# Altium PCB HW_Dron_V2.PcbDoc (part 2 of 2)
Units mil, origin at the board's own origin, x right, y up, seen from the top; angles counter-clockwise.
Board outline 3775.2 x 3550 mil, 2 copper layers (Top Layer, Bottom Layer); 111 components, 150 nets, 616 pads, 477 vias.
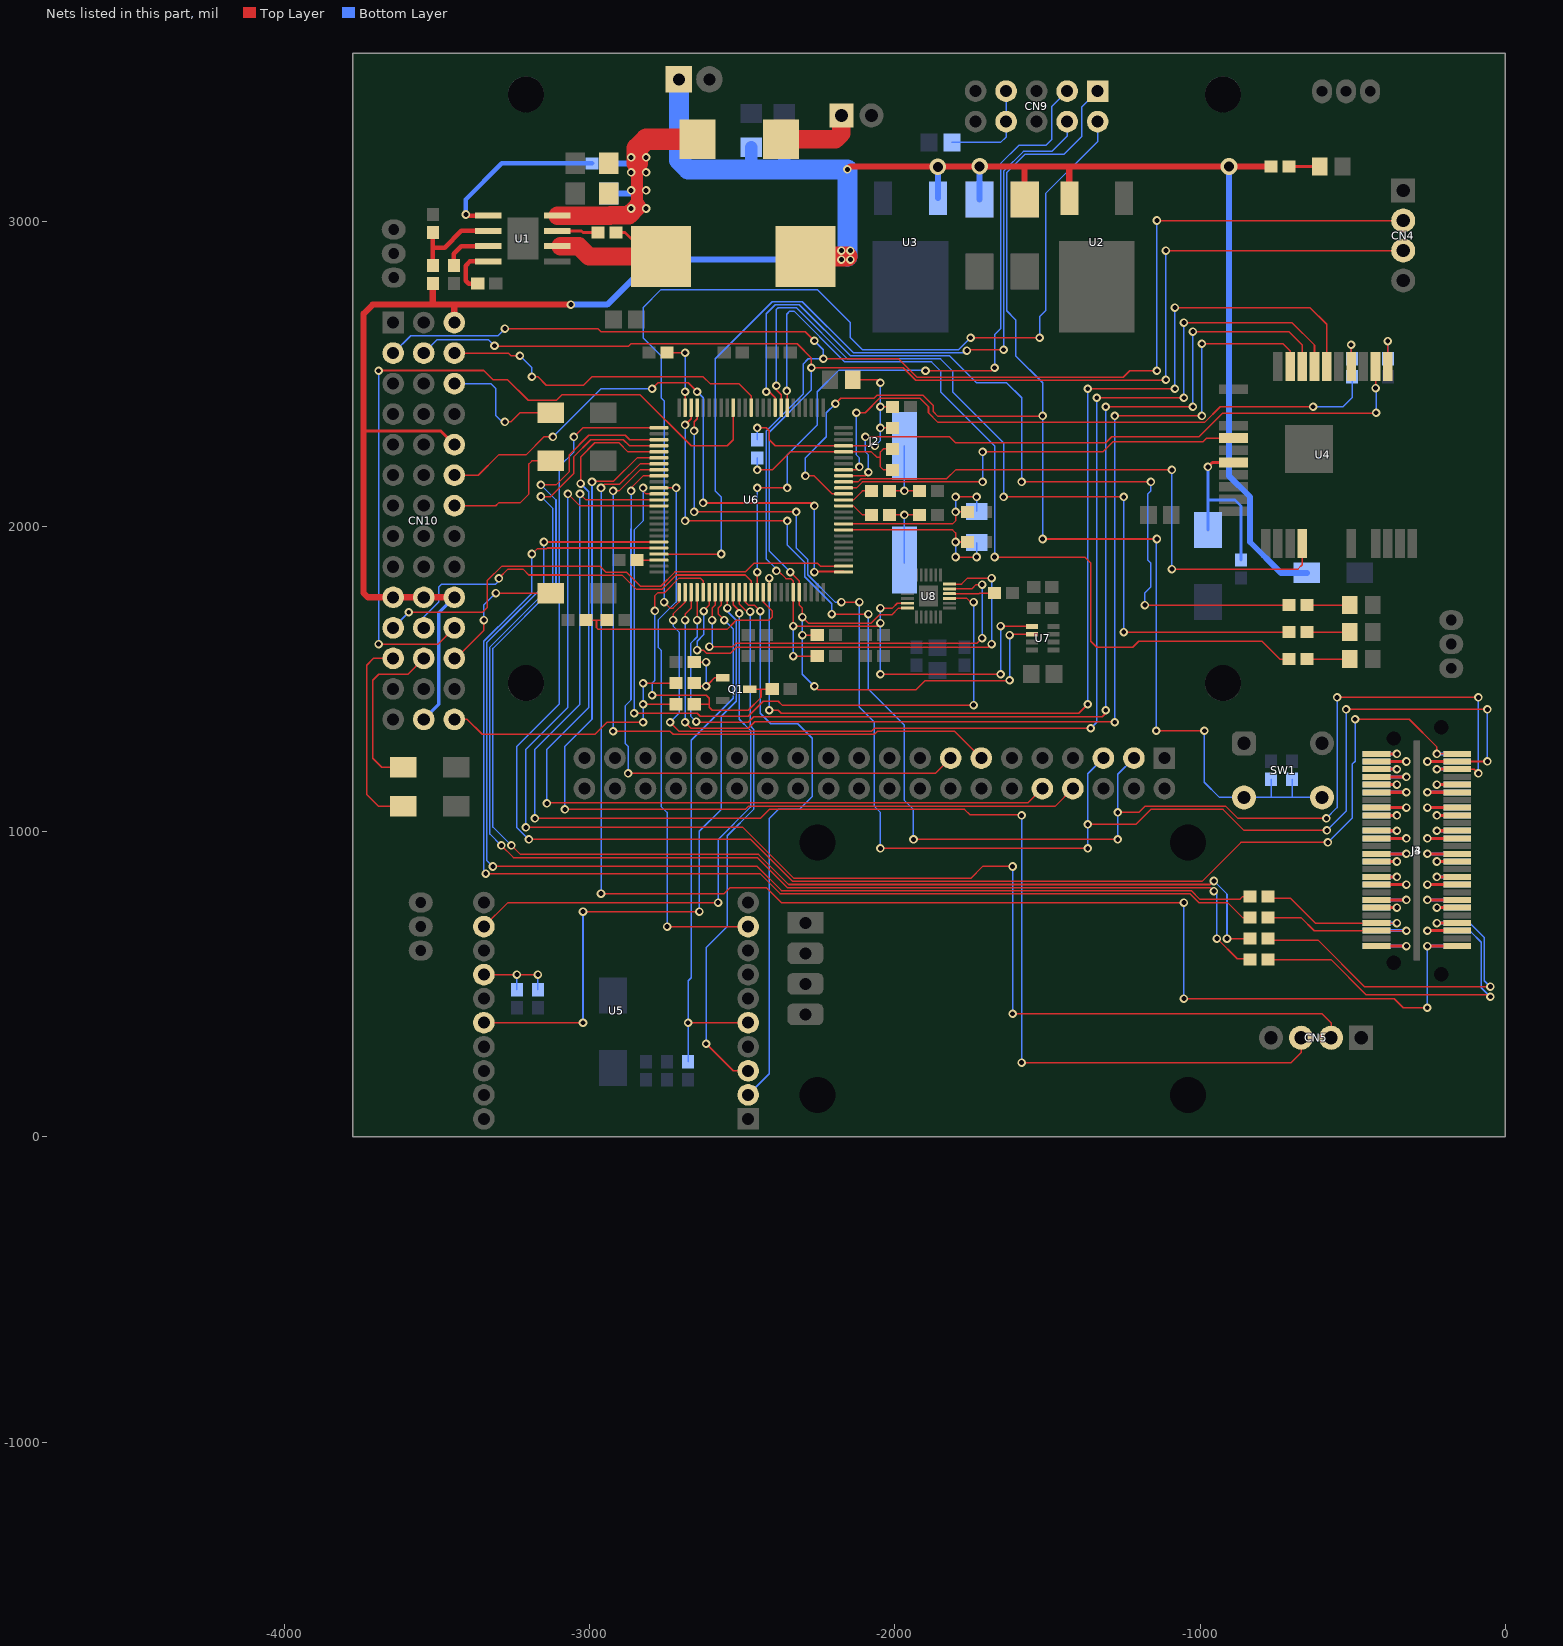
[diagram p2: the nets of this part, all layers, seen from the top]

## Via types
v1: diameter 28, hole 16, Top Layer to Bottom Layer, tented both sides, 470 vias
v2: diameter 250, hole 125, Top Layer to Bottom Layer, 4 vias
v3: diameter 54, hole 32, Top Layer to Bottom Layer, tented both sides, 2 vias
v4: diameter 56, hole 32, Top Layer to Bottom Layer, tented both sides, 1 vias

## Nets (pads, with @x,y where several pads share a name; then routed paths per layer and width w, separated by ;. In a path a pad name is that pad's centre, name@x,y a point inside that pad or via, vN(x,y) a via of type N, cw(c..) or ccw(c..) an arc to the next point about the centre after c; other vN are vias at no path point) (continued)
I2C1_SCL: CN4.2 CN10.4 R16.2 U6.95 U7.4 U8.23 | length 6390.6
  Top Layer w5: v1(-3277.56,2647.64) -2972.44,2647.64 -2962.6,2637.8 -2293.31,2637.8 v1(-2263.78,2608.27) ; v1(-2388.08,1854.04) -2381.91,1854.04 -2356.76,1828.89 -2340.7,1828.89 -2332.68,1820.87 U6.95@-2332.68,1784.25 v1(-2332.68,1673.23) -2332.52,1673.07 -2057.24,1673.07 v1(-2047.24,1683.07) ; v1(-2332.68,1574.8) R16.2@-2253.94,1574.8 ; v1(-2234.25,2549.21) -1988.19,2549.21 -1978.35,2539.37 -1938.98,2500 -1927.32,2488.34 -1251.82,2488.34 -1230.32,2509.84 v1(-1141.73,2509.84) ; v1(-2047.24,1515.75) v1(-1653.54,1515.75) ; v1(-2047.24,1732.28) -2007.88,1732.28 -1992.13,1748.03 U8.23@-1958.66,1748.03 ; v1(-1653.54,1673.23) -1652.56,1672.24 U7.4@-1551.18,1672.24 ; v1(-1141.73,3001.97) CN4.2@-334.65,3001.97
  Bottom Layer w5: CN10.4@-3643.31,2567.72 -3586.24,2624.78 -3300.41,2624.78 v1(-3277.56,2647.64) ; v1(-2388.08,1854.04) -2388.08,1860.22 -2421.42,1893.55 -2421.42,2312.83 -2300.38,2433.87 -2300.38,2532.3 -2283.46,2549.21 v1(-2234.25,2549.21) -2234.25,2578.74 v1(-2263.78,2608.27) ; v1(-2332.68,1574.8) v1(-2332.68,1673.23) ; v1(-2047.24,1515.75) v1(-2047.24,1683.07) ; v1(-2047.24,1683.07) v1(-2047.24,1732.28) ; v1(-1653.54,1515.75) v1(-1653.54,1673.23) ; v1(-1141.73,2509.84) v1(-1141.73,3001.97)
I2C1_SDA: CN4.3 CN10.5 R15.2 U6.96 U7.3 U8.24 | length 6192.2
  Top Layer w5: v1@-3310.27,2590.4 -2872.2,2590.4 -2864.17,2598.43 -2320.1,2598.43 -2273.62,2551.95 v1(-2273.62,2519.69) -1972.8,2519.69 -1931.46,2478.34 -1114.18,2478.34 v1(-1112.2,2480.32) ; v1(-2342.52,1850.39) -2312.99,1820.87 U6.96@-2312.99,1784.25 -2312.99,1742.13 -2303.15,1732.28 v1(-2303.15,1702.76) -2283.46,1683.07 -2077.65,1683.07 -2049.94,1710.78 -2009.69,1710.78 -1988.19,1732.28 U8.24@-1958.66,1732.28 ; v1(-2303.15,1643.7) R15.2@-2253.94,1643.7 ; v1(-2263.78,1476.38) -2252.12,1464.72 -1930.95,1464.72 -1901.42,1494.25 -1625.83,1494.25 v1(-1624.02,1496.06) ; v1(-1624.01,1643.7) -1621.06,1646.65 U7.3@-1551.18,1646.65 ; v1(-1112.2,2903.54) CN4.3@-334.65,2903.54
  Bottom Layer w5: CN10.5@-3543.31,2567.72 -3500.37,2610.65 -3330.52,2610.65 v1(-3311.48,2591.61) ; v1(-2342.52,1850.39) -2411.42,1919.29 -2411.42,2308.69 -2273.62,2446.49 v1(-2273.62,2519.69) ; v1(-2303.15,1702.76) v1(-2303.15,1643.7) -2303.15,1515.75 v1(-2263.78,1476.38) ; v1(-1624.02,1496.06) v1(-1624.01,1643.7) ; v1(-1112.2,2480.32) v1(-1112.2,2903.54)
I2C2_SCL: J2.5 J3.49 J4.49 U6.47 | length 5121.9
  Top Layer w5: v1(-2657.48,2047.24) v1(-2322.83,2047.24) ; v1(-2657.48,2312.99) -2657.48,2342.52 -2647.64,2352.36 U6.47@-2647.64,2388.98 ; v1(-2175.2,1751.97) v1(-2116.14,1751.97) ; v1(-2047.24,944.88) v1(-1368.11,944.88) ; v1(-1368.11,1023.62) -1210.63,1023.62 -1161.57,1072.68 -925.04,1072.68 -856.3,1003.94 v1(-584.85,1003.94) ; v1(-521.65,1400.38) v1(-59.06,1400.38) ; J3.49@-157.28,1229.72 -59.65,1229.72 v1(-59.06,1230.32)
  Top Layer w10: v1(-255.31,1229.72) J3.49@-157.28,1229.72
  Bottom Layer w5: v1(-2657.48,2047.24) v1(-2657.48,2312.99) ; v1(-2322.83,2047.24) -2322.83,1929.13 -2285.28,1891.58 -2285.28,1841.49 -2195.76,1751.97 v1(-2175.2,1751.97) ; v1(-2116.14,1751.97) -2116.14,1407.48 -2066.93,1358.27 -2066.93,1082.68 -2047.24,1062.99 v1(-2047.24,944.88) ; v1(-1368.11,944.88) v1(-1368.11,1023.62) -1368.11,1189.76 J2.5@-1316.93,1240.94 ; v1(-584.85,1003.94) -521.65,1067.14 v1(-521.65,1400.38) ; v1(-59.06,1230.32) v1(-59.06,1400.38)
  Bottom Layer w10: v1(-255.31,1229.72) J4.49@-157.28,1229.72
I2C2_SDA: J2.3 J3.47 J4.47 U6.48 | length 4994.9
  Top Layer w5: v1(-2687.01,2017.72) v1(-2352.36,2017.72) ; v1(-2687.01,2332.68) -2667.32,2352.36 U6.48@-2667.32,2388.98 ; v1(-2206.69,1712.6) v1@-2086.62,1712.6 ; v1(-1938.98,974.41) v1(-1269.69,974.41) ; v1(-1269.69,1062.99) -1200.79,1062.99 -1181.1,1082.68 -915.35,1082.68 -875.98,1043.31 v1(-586.5,1043.31) ; v1(-551.18,1439.75) v1(-88.58,1439.75) ; J3.47@-157.28,1204.53 -102.17,1204.53 v1(-88.58,1190.94)
  Top Layer w10: v1(-224.21,1204.53) J3.47@-157.28,1204.53
  Bottom Layer w5: v1(-2687.01,2017.72) v1(-2687.01,2332.68) ; v1(-2352.36,2017.72) -2352.36,1938.98 -2295.28,1881.89 -2295.28,1835.3 -2206.69,1746.71 v1(-2206.69,1712.6) ; v1(-2086.61,1712.6) -2086.61,1466.54 -1968.5,1348.43 -1968.5,1102.36 -1938.98,1072.83 v1(-1938.98,974.41) ; v1(-1269.69,974.41) v1(-1269.69,1062.99) -1269.69,1188.19 J2.3@-1216.93,1240.94 ; v1(-586.5,1043.31) -551.18,1078.63 v1(-551.18,1439.75) ; v1(-88.58,1190.94) v1(-88.58,1439.75)
  Bottom Layer w10: v1(-224.21,1204.53) J4.47@-157.28,1204.53
I2C2_SMBA: J3.51 J4.51 U6.51 | length 5333.3
  Top Layer w5: v1(-3198.82,974.41) -2472.29,974.41 -2334.65,836.77 -993.94,836.77 -866.14,964.57 v1(-581.57,964.57) ; v1(-3051.18,2293.31) -3021.65,2322.83 U6.51@-2772.84,2322.83 ; v1(-492.13,1368.11) -314.96,1368.11 -224.21,1277.36 v1(-224.21,1254.92) J3.51@-157.28,1254.92
  Bottom Layer w5: v1(-3198.82,974.41) -3199.7,974.41 -3238.19,1012.9 -3238.19,1279.53 -3099.37,1418.34 -3099.37,2195.9 -3051.18,2244.09 v1(-3051.18,2293.31) ; v1(-581.57,964.57) -501.97,1044.17 -501.97,1220.47 -492.13,1230.31 v1(-492.13,1368.11)
  Bottom Layer w10: v1(-224.21,1254.92) J4.51@-157.28,1254.92
IMU_AD0: U6.62 U8.9 | length 2379.2
  Top Layer w5: v1(-2854.33,1387.8) -2647.64,1387.8 -2637.8,1377.95 -2480.31,1377.95 -2431.1,1427.17 -2381.89,1427.17 -2369.3,1414.58 v1(-1742.13,1414.58) ; v1(-2824.8,2125.98) -2824.8,2116.14 -2814.96,2106.3 U6.62@-2772.84,2106.3 ; U8.9@-1820.87,1763.78 -1763.78,1763.78 -1751.97,1751.97 v1(-1742.13,1751.97)
  Bottom Layer w5: v1(-2854.33,1387.8) -2854.33,1988.19 -2824.8,2017.72 v1(-2824.8,2125.98) ; v1(-1742.13,1414.58) v1(-1742.13,1751.97)
IMU_FSYNC: U6.82 U8.11 | length 1378.5
  Top Layer w5: v1(-2607.83,1606.15) -2531.13,1606.15 -2520.76,1616.52 -1731.76,1616.52 v1(-1714.41,1633.86) ; v1(-2598.43,1692.91) -2598.43,1732.28 -2588.58,1742.13 U6.82@-2588.58,1784.25 ; U8.11@-1820.87,1795.28 -1748.03,1795.28 -1734.1,1809.21 v1(-1714.41,1809.21)
  Bottom Layer w5: v1(-2607.83,1606.15) -2598.43,1615.55 v1(-2598.43,1692.91) ; v1(-1714.41,1633.86) v1(-1714.41,1809.21)
IMU_INT: U6.81 U8.12 | length 1549.4
  Top Layer w5: v1(-2647.64,1594.49) -2626.58,1594.49 -2616.73,1584.65 -2538.49,1584.65 -2518.81,1604.33 -1692.91,1604.33 v1(-1683.07,1614.17) ; v1(-2626.14,1722.44) -2626.14,1724.26 -2608.27,1742.13 U6.81@-2608.27,1784.25 ; U8.12@-1820.87,1811.02 -1781.5,1811.02 -1761.81,1830.71 v1(-1683.07,1830.71)
  Bottom Layer w5: v1(-2647.64,1594.49) -2647.64,1624.02 -2626.14,1645.52 v1(-2626.14,1722.44) ; v1(-1683.07,1614.17) v1(-1683.07,1830.71)
LD0: R31.2 U6.32 | length 2848.3
  Top Layer w5: v1(-2354.18,2443.64) -2352.36,2441.82 U6.32@-2352.36,2388.98 ; v1(-1673.23,1899.61) -1377.95,1899.61 -1358.27,1879.92 -1358.27,1624.02 -1338.58,1604.33 -1220.47,1604.33 -1200.79,1624.02 -797.24,1624.02 -738.19,1564.96 R31.2@-708.66,1564.96
  Bottom Layer w5: v1(-2354.18,2443.64) -2354.18,2695.04 -2344.05,2705.16 -2330.27,2705.16 -2163.85,2538.74 -1879.92,2538.74 -1850.39,2509.21 -1850.39,2440.94 -1673.23,2263.78 v1(-1673.23,1899.61)
LD1: R30.2 U6.33 | length 2853.5
  Top Layer w5: v1(-2388.26,2460.63) -2388.26,2447.32 -2372.05,2431.1 U6.33@-2372.05,2388.98 ; v1(-1643.7,2096.46) v1(-1250,2096.46) ; v1(-1250,1653.54) R30.2@-708.66,1653.54
  Bottom Layer w5: v1(-2388.26,2460.63) -2388.26,2710.17 -2382.2,2716.22 -2322.52,2716.22 -2155.04,2548.74 -1850.39,2548.74 -1811.02,2509.37 -1811.02,2440.94 -1643.7,2273.62 v1(-1643.7,2096.46) ; v1(-1250,1653.54) v1(-1250,2096.46)
LD2: R32.2 U6.34 | length 2892.1
  Top Layer w5: v1(-2421.26,2440.94) -2411.42,2440.94 -2391.73,2421.26 U6.34@-2391.73,2388.98 ; v1(-1584.65,2145.67) v1(-1161.42,2145.67) ; v1(-1181.1,1742.13) R32.2@-708.66,1742.13
  Bottom Layer w5: v1(-2421.26,2440.94) -2421.26,2696.85 -2391.89,2726.22 -2312.83,2726.22 -2145.35,2558.74 -1820.87,2558.74 -1732.6,2470.47 -1633.86,2470.47 -1584.65,2421.26 v1(-1584.65,2145.67) ; v1(-1181.1,1742.13) -1181.1,1781.5 -1161.42,1801.18 -1161.42,1880.08 -1171.26,1889.92 -1171.26,2106.3 -1161.42,2116.14 v1(-1161.42,2145.67)
NetC1_1: C1.1 C2.1 C3.1 D10.2 R1.2 U1.8 | length 825.9
  Top Layer w40: -2844.49,3046.61 -2844.49,3188.98
  Top Layer w60: U1.8@-3105.31,3017.91 -2933.07,3017.91 -2931.73,3019.25 -2871.85,3019.25 -2844.49,3046.61
  Top Layer w70: -2844.49,3188.98 -2844.49,3238.19 -2814.96,3267.72 D10.2@-2646.65,3267.72
  Bottom Layer w20: R1.2@-2933.07,3188.98 -2844.49,3188.98 ; C1.1@-2907.48,3090.55 -2844.49,3090.55
  other v1: -2864.17,3041.34 -2814.96,3041.34 -2864.17,3100.39 -2814.96,3100.39 -2864.17,3159.45 -2814.96,3159.45 -2864.17,3208.66 -2814.96,3208.66
NetC4_1: C4.1 U1.7 | length 125.2
  Top Layer w10: U1.7@-3095.47,2967.91 -3026.97,2967.91 -3021.65,2962.6 C4.1@-2972.44,2962.6
NetC4_2: C4.2 L1.1 U1.6 | length 465
  Top Layer w10: C4.2@-2913.39,2962.6 -2883.86,2962.6 L1.1@-2805.12,2883.86
  Top Layer w60: U1.6@-3095.47,2917.91 -3036.02,2917.91 -3001.97,2883.86 L1.1@-2785.43,2883.86
NetC6_1: C6.1 U1.3 | length 162.6
  Top Layer w15: C6.1@-3444.88,2854.33 -3444.88,2893.7 -3420.67,2917.91 U1.3@-3331.69,2917.91
NetC7_1: C7.1 U1.4 | length 172.1
  Top Layer w15: C7.1@-3366.14,2795.28 -3395.67,2795.28 -3405.51,2805.12 -3405.51,2854.33 -3391.93,2867.91 U1.4@-3331.69,2867.91
NetC16_1: C16.1 C17.1 U4.24 | length 597.8
  Top Layer w5: U4.24@-895.31,2214.57 U4.24@-890.16,2209.41
  Top Layer w10: v1(-974.41,2194.88) -959.88,2209.41 U4.24@-890.16,2209.41
  Bottom Layer w10: C16.1@-974.4,1988.2 -974.41,2086.61 ; v1(-974.41,2194.88) -974.41,2086.61 ; C17.1@-866.14,1889.76 -866.14,2066.93 -885.83,2086.61 -974.41,2086.61
NetC20_1: C20.1 U6.73 | length 71.7
  Top Layer w5: C20.1@-2844.49,1889.76 U6.73@-2772.84,1889.76
NetC26_1: C26.1 U6.49 | length 239
  Top Layer w5: C26.1@-2746.06,2568.9 v1(-2687.01,2568.9) ; U6.49@-2687.01,2388.98 v1(-2687.01,2440.94)
  Bottom Layer w5: v1(-2687.01,2440.94) v1(-2687.01,2568.9)
NetC27_1: C27.1 R29.2 Y1.1 | length 246.1
  Top Layer w5: R29.2@-2017.72,2116.14 v1(-1968.5,2116.14) C27.1@-1919.29,2116.14
  Bottom Layer w5: v1(-1968.5,2116.14) Y1.1@-1968.5,2263.78
NetC28_1: C28.1 R28.2 Y1.2 | length 255.9
  Top Layer w5: R28.2@-2017.72,2037.4 v1(-1968.5,2037.4) ; v1(-1968.5,2037.4) C28.1@-1919.29,2037.4
  Bottom Layer w5: Y1.2@-1968.5,1879.92 Y1.2@-1968.5,1889.76 v1(-1968.5,2037.4)
NetC35_1: C35.1 U8.10 | length 128.8
  Top Layer w5: U8.10@-1820.87,1779.53 -1724.41,1779.53 -1722.44,1781.5 C35.1@-1692.91,1781.5
NetCN9_7: CN9.7 CN9.8 R33.2 | length 335.1
  Bottom Layer w5: R33.2@-1812.99,3257.87 -1653.54,3257.87 -1635.43,3275.98 CN9.8@-1635.43,3325.98 CN9.7@-1635.43,3425.98
NetCN10_9: CN10.9 D6.1 | length 431.3
  Top Layer w5: v1(-3277.56,2342.52) -3257.87,2342.52 -3228.35,2372.05 D6.1@-3127.95,2372.05
  Bottom Layer w5: CN10.9@-3443.31,2467.72 -3324.02,2467.72 -3306.93,2450.63 -3306.93,2362.05 -3287.4,2342.52 v1(-3277.56,2342.52)
NetCN10_21: CN10.21 D7.1 | length 433.8
  Top Layer w5: CN10.21@-3443.31,2067.72 -3307.18,2067.72 -3298.12,2076.77 -3228.35,2076.77 -3198.82,2106.3 -3198.82,2204.72 -3188.98,2214.57 D7.1@-3127.95,2214.57
NetCN10_34: CN10.34 D4.1 | length 655.9
  Top Layer w5: CN10.34@-3643.31,1567.72 -3707.87,1567.72 -3730.32,1545.28 -3730.32,1122.05 -3690.95,1082.68 D4.1@-3610.24,1082.68
NetCN10_35: CN10.35 D5.1 | length 565.5
  Top Layer w5: D5.1@-3610.24,1210.63 -3681.1,1210.63 -3710.63,1240.16 -3710.63,1496.06 -3690.94,1515.75 -3595.28,1515.75 CN10.35@-3543.31,1567.72
NetCN10_36: CN10.36 D8.1 | length 455
  Top Layer w5: CN10.36@-3440.56,1564.97 -3346.45,1659.08 v1(-3346.45,1692.91) ; v1(-3307.08,1781.49) -3137.8,1781.49 D8.1@-3127.95,1791.34
  Bottom Layer w5: v1(-3346.45,1692.91) -3346.45,1742.12 v1(-3307.08,1781.49)
NetD1_1: D1.1 R30.1 | length 139.8
  Top Layer w5: R30.1@-649.61,1653.54 D1.1@-509.84,1653.54
NetD2_1: D2.1 R31.1 | length 139.8
  Top Layer w5: R31.1@-649.61,1564.96 D2.1@-509.84,1564.96
NetD3_1: D3.1 R32.1 | length 139.8
  Top Layer w5: R32.1@-649.61,1742.13 D3.1@-509.84,1742.13
NetD11_1: D11.1 R9.2 | length 100.4
  Top Layer w10: R9.2@-708.66,3179.13 D11.1@-608.27,3179.13
NetQ1_1: Q1.1 R13.1 R14.2 | length 223
  Top Layer w5: R13.1@-2657.48,1486.22 -2647.63,1476.38 v1(-2618.11,1476.38) ; R14.2@-2657.48,1555.12 v1(-2618.11,1555.12) ; v1@-2618.11,1486.22 -2608.27,1486.22 -2590.55,1503.94 Q1.1@-2563.98,1503.94
  Bottom Layer w5: v1(-2618.11,1476.38) v1(-2618.11,1555.12)
NetR1_1: R1.1 U1.1 | length 581.6
  Top Layer w15: v1@-3401.77,3017.91 U1.1@-3331.69,3017.91
  Bottom Layer w15: v1(-3405.51,3021.65) -3405.51,3070.87 -3287.4,3188.98 R1.1@-2992.13,3188.98
NetR2_1: R2.1 R3.1 U1.2 | length 312.9
  Top Layer w15: R2.1@-3513.78,2854.33 R3.1@-3513.78,2962.6 ; -3513.78,2913.39 -3474.41,2913.39 -3419.88,2967.91 U1.2@-3331.69,2967.91
NetR5_1: R5.1 R7.2 U5.14 | length 275.6
  Top Layer w5: U5.14@-3346.46,531.5 v1(-3238.19,531.5) v1(-3169.29,531.5)
  Bottom Layer w5: R5.1@-3238.19,482.28 v1(-3238.19,531.5) ; R7.2@-3169.29,482.28 v1(-3169.29,531.5)
NetR6_2: R6.2 U4.10 | length 138.9
  Top Layer w5: U4.10@-385.28,2524.21 v1(-385.28,2606.85)
  Bottom Layer w5: R6.2@-385.28,2550.63 v1(-385.28,2606.85)
NetR8_2: R8.2 U4.13 | length 113.5
  Top Layer w5: U4.13@-505.28,2524.21 v1(-505.28,2595.12)
  Bottom Layer w5: R8.2@-505.28,2552.52 v1(-505.28,2595.12)
ODROID_CTS: J2.15 U6.59 | length 2132.7
  Top Layer w5: v1(-2874.02,1190.94) -1866.93,1190.94 J2.15@-1816.93,1240.94 ; v1(-2864.17,2116.14) -2864.17,2125.98 -2824.8,2165.35 U6.59@-2772.84,2165.35
  Bottom Layer w5: v1(-2874.02,1190.94) -2874,1279.51 -2883.86,1289.37 -2883.86,1411.78 -2864.33,1431.31 -2864.33,1992.33 -2864.17,1992.49 v1(-2864.17,2116.14)
ODROID_RTS: J2.13 U6.58 | length 2217.2
  Top Layer w5: v1(-2923.23,1328.74) -2736.22,1328.74 -2726.22,1318.74 -2067.09,1318.74 -2057.24,1328.58 -1804.57,1328.58 J2.13@-1716.93,1240.94 ; v1(-2923.23,2116.14) -2903.54,2116.14 -2834.65,2185.04 U6.58@-2772.84,2185.04
  Bottom Layer w5: v1(-2923.23,1328.74) v1(-2923.23,2116.14)
ODROID_RX: J2.10 U6.55 | length 3133.2
  Top Layer w5: v1(-3139.76,1092.52) -3137.95,1094.33 -1563.54,1094.33 J2.10@-1516.93,1140.94 ; v1(-3029.22,2139.98) -3029.22,2227.45 -2983.05,2273.62 -2903.54,2273.62 -2874.02,2244.09 U6.55@-2772.84,2244.09
  Bottom Layer w5: v1(-3139.76,1092.52) -3139.76,1269.68 -3002.83,1406.62 -3002.83,2113.59 v1(-3029.22,2139.98)
ODROID_TX: J2.8 U6.56 | length 3053.4
  Top Layer w5: v1(-3080.71,1072.83) -2490.16,1072.83 -2480.31,1082.68 -1475.2,1082.68 J2.8@-1416.93,1140.94 ; v1(-2992.13,2145.67) -2990.15,2147.64 -2921.26,2147.64 -2844.49,2224.41 U6.56@-2772.84,2224.41
  Bottom Layer w5: v1(-3080.71,1072.83) -3080.71,1279.53 -2992.13,1368.11 v1(-2992.13,2145.67)
PACK+: CN1.1 D10.1 | length 265
  Top Layer w60: D10.1@-2373.03,3267.72 -2194.88,3267.72 -2175.2,3287.4 CN1.1@-2175.2,3346.46
PC_N: C30.1 U6.8 Y2.2 | length 605.3
  Top Layer w5: U6.8@-2168.11,1988.19 -1811.02,1988.19 -1801.18,1978.35 v1(-1801.18,1948.82) C30.1@-1761.81,1948.82 ; v1(-1801.18,1899.61) v1(-1732.28,1899.61)
  Bottom Layer w5: v1(-1801.18,1899.61) v1(-1801.18,1948.82) ; v1(-1732.28,1899.61) Y2.2@-1732.28,1946.85
PC_P: C29.1 U6.9 Y2.1 | length 605.3
  Top Layer w5: U6.9@-2168.11,2007.87 -1811.02,2007.87 -1801.18,2017.72 v1(-1801.18,2047.24) C29.1@-1761.81,2047.24 ; v1(-1801.18,2096.46) v1(-1732.28,2096.46)
  Bottom Layer w5: v1(-1801.18,2047.24) v1(-1801.18,2096.46) ; Y2.1@-1732.28,2049.21 v1(-1732.28,2096.46)
PE1_0CLKN_PC: J3.38 J4.38 | length 196.1
  Top Layer w10: J3.38@-422.24,1078.54 v1(-324.21,1078.54)
  Bottom Layer w10: J4.38@-422.24,1078.54 v1(-324.21,1078.54)
PE1_0CLKP_PC: J3.36 J4.36 | length 133.9
  Top Layer w10: J3.36@-422.24,1053.35 v1(-355.31,1053.35)
  Bottom Layer w10: J4.36@-422.24,1053.35 v1(-355.31,1053.35)
PE1_0RN_PC: J3.26 J4.26 | length 196.1
  Top Layer w10: J3.26@-422.24,927.36 v1(-324.21,927.36)
  Bottom Layer w10: J4.26@-422.24,927.36 v1(-324.21,927.36)
PE1_0RP_PC: J3.24 J4.24 | length 133.9
  Top Layer w10: J3.24@-422.24,902.17 v1(-355.31,902.17)
  Bottom Layer w10: J4.24@-422.24,902.17 v1(-355.31,902.17)
PE1_0TN_PC: J3.14 J4.14 | length 196.1
  Top Layer w10: J3.14@-422.24,776.18 v1(-324.21,776.18)
  Bottom Layer w10: J4.14@-422.24,776.18 v1(-324.21,776.18)
PE1_0TP_PC: J3.12 J4.12 | length 133.9
  Top Layer w10: J3.12@-422.24,750.98 v1(-355.31,750.98)
  Bottom Layer w10: J4.12@-422.24,750.98 v1(-355.31,750.98)
PE1_1CLKN_PC: J3.37 J4.37 | length 196.1
  Top Layer w10: v1(-255.31,1078.54) J3.37@-157.28,1078.54
  Bottom Layer w10: v1(-255.31,1078.54) J4.37@-157.28,1078.54
PE1_1CLKP_PC: J3.35 J4.35 | length 133.9
  Top Layer w10: v1(-224.21,1053.35) J3.35@-157.28,1053.35
  Bottom Layer w10: v1(-224.21,1053.35) J4.35@-157.28,1053.35
PE1_1RN_PC: J3.25 J4.25 | length 196.1
  Top Layer w10: v1(-255.31,927.36) J3.25@-157.28,927.36
  Bottom Layer w10: v1(-255.31,927.36) J4.25@-157.28,927.36
PE1_1RP_PC: J3.23 J4.23 | length 133.9
  Top Layer w10: v1(-224.21,902.17) J3.23@-157.28,902.17
  Bottom Layer w10: v1(-224.21,902.17) J4.23@-157.28,902.17
PE1_2CLKN_PC: J3.43 J4.43 | length 133.9
  Top Layer w10: v1(-224.21,1154.13) J3.43@-157.28,1154.13
  Bottom Layer w10: v1(-224.21,1154.13) J4.43@-157.28,1154.13
PE1_2CLKP_PC: J3.41 J4.41 | length 196.1
  Top Layer w10: v1(-255.31,1128.94) J3.41@-157.28,1128.94
  Bottom Layer w10: v1(-255.31,1128.94) J4.41@-157.28,1128.94
PE1_2RN_PC: J3.31 J4.31 | length 133.9
  Top Layer w10: v1(-224.21,1002.95) J3.31@-157.28,1002.95
  Bottom Layer w10: v1(-224.21,1002.95) J4.31@-157.28,1002.95
PE1_2RP_PC: J3.29 J4.29 | length 196.1
  Top Layer w10: v1(-255.31,977.76) J3.29@-157.28,977.76
  Bottom Layer w10: v1(-255.31,977.76) J4.29@-157.28,977.76
PE1_2TN_PC: J3.19 J4.19 | length 133.9
  Top Layer w10: v1(-224.21,851.77) J3.19@-157.28,851.77
  Bottom Layer w10: v1(-224.21,851.77) J4.19@-157.28,851.77
PE1_2TP_PC: J3.17 J4.17 | length 196.1
  Top Layer w10: v1(-255.31,826.57) J3.17@-157.28,826.57
  Bottom Layer w10: v1(-255.31,826.57) J4.17@-157.28,826.57
PE1_3CLKN_PC: J3.44 J4.44 | length 133.9
  Top Layer w10: J3.44@-422.24,1154.13 v1(-355.31,1154.13)
  Bottom Layer w10: J4.44@-422.24,1154.13 v1(-355.31,1154.13)
PE1_3CLKP_PC: J3.42 J4.42 | length 196.1
  Top Layer w10: J3.42@-422.24,1128.94 v1(-324.21,1128.94)
  Bottom Layer w10: J4.42@-422.24,1128.94 v1(-324.21,1128.94)
PE1_3RN_PC: J3.32 J4.32 | length 133.9
  Top Layer w10: J3.32@-422.24,1002.95 v1(-355.31,1002.95)
  Bottom Layer w10: J4.32@-422.24,1002.95 v1(-355.31,1002.95)
PE1_3RP_PC: J3.30 J4.30 | length 196.1
  Top Layer w10: J3.30@-422.24,977.76 v1(-324.21,977.76)
  Bottom Layer w10: J4.30@-422.24,977.76 v1(-324.21,977.76)
PE1_3TN_PC: J3.20 J4.20 | length 133.9
  Top Layer w10: J3.20@-422.24,851.77 v1(-355.31,851.77)
  Bottom Layer w10: J4.20@-422.24,851.77 v1(-355.31,851.77)
PE1_3TP_PC: J3.18 J4.18 | length 196.1
  Top Layer w10: J3.18@-422.24,826.57 v1(-324.21,826.57)